# KiCad board jetson-orin-baseboard.kicad_pcb (continued)
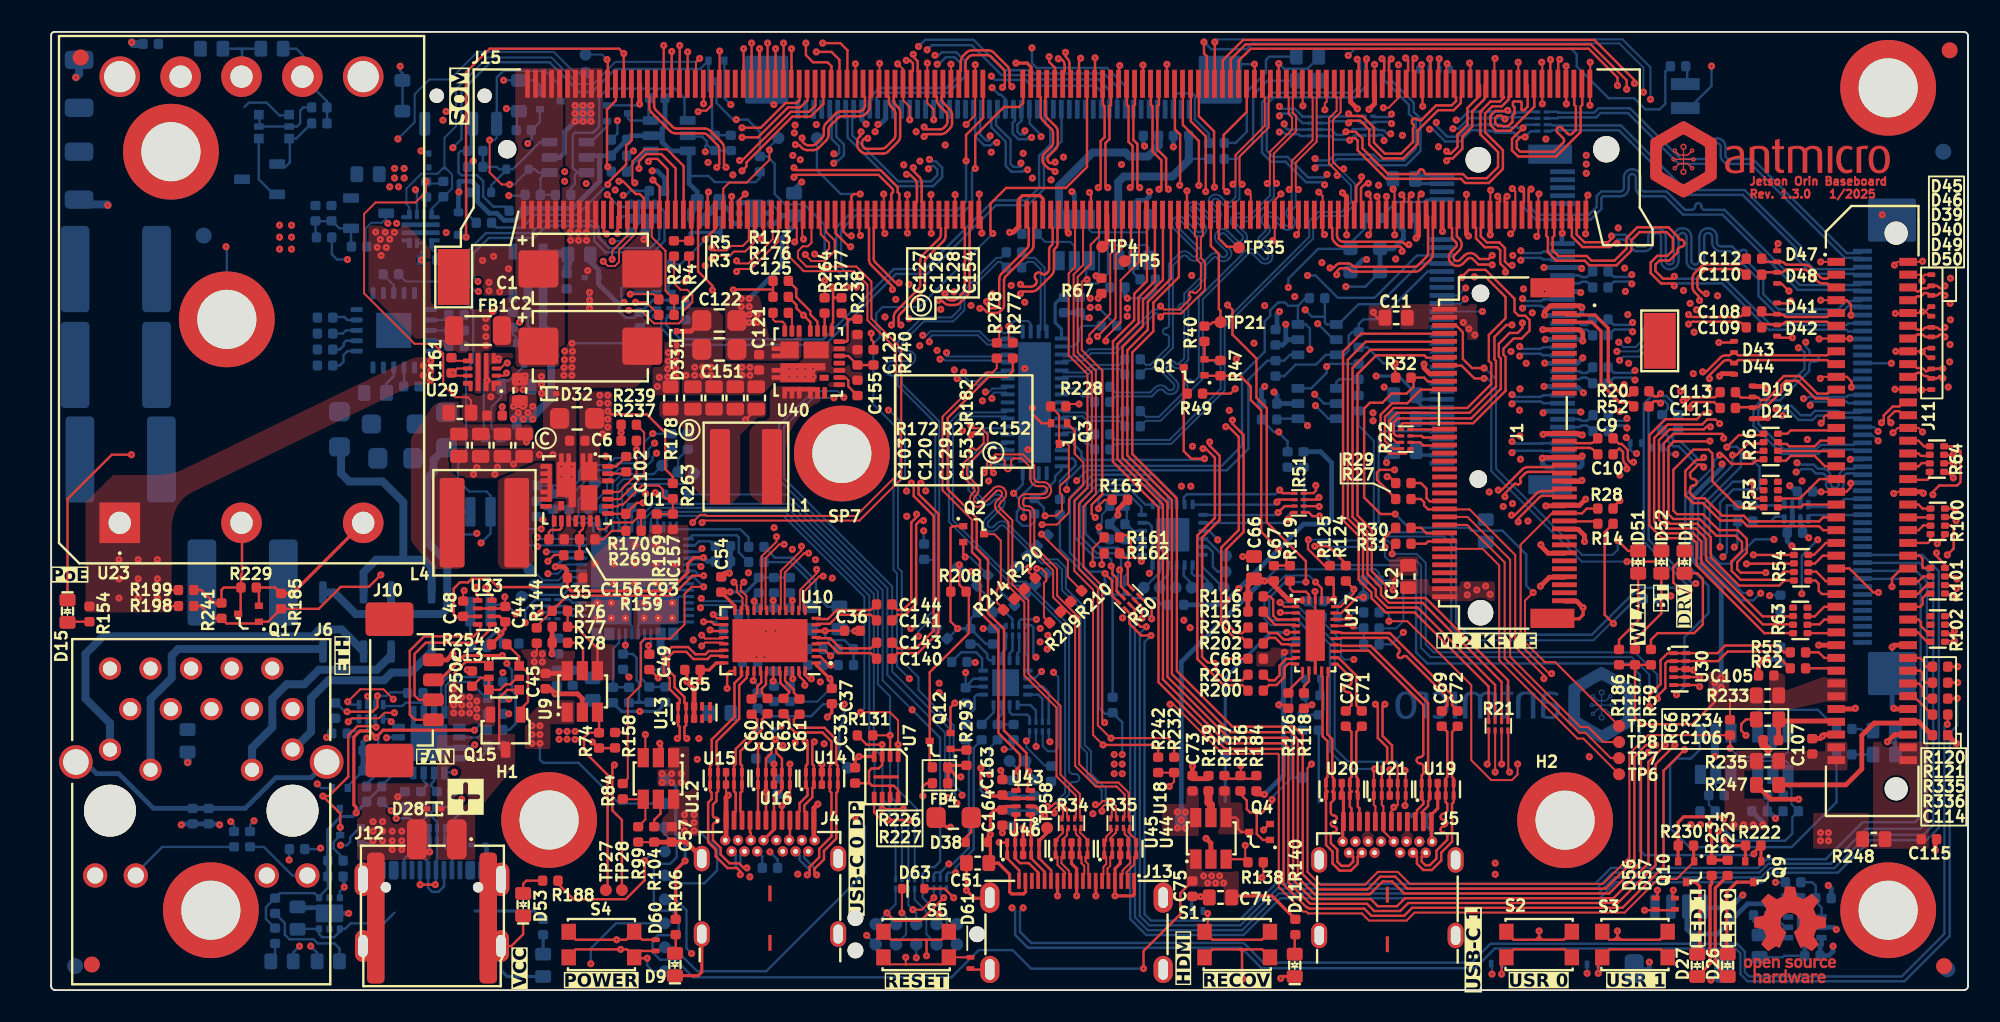
[diagram p0: board, top side]
## Routing (per net, layer and track width the routed paths; a pad name or vN(x,y) marks a point on that pad's centre or on a via; arc(x,y) is an arc through that point) (continued)
/USB3/USBSS1_C_RX_N: length 3.1
  Top w0.155: 77.91,20.41 77.87,20.44 77.45,20.44 77.2,20.19 77.2,19.59 76.71,19.1 76.24,19.1 75.89,18.75
/USB3/USBSS1_C_RX_P: length 3.1
  Top w0.155: 75.89,19.75 76.24,19.4 76.59,19.4 76.9,19.71 76.9,20.31 77.33,20.74 77.87,20.74 77.94,20.81
/USB3/USBSS1_C_TX_N: length 2.4
  Top w0.155: 77.94,21.61 77.56,21.61 77.51,21.66 77.03,21.66 76.63,22.06 76.24,22.06 75.89,21.7
/USB3/USBSS1_C_TX_P: length 2.4
  Top w0.155: 77.94,22 77.56,22 77.51,21.95 77.16,21.95 76.76,22.35 76.24,22.35 75.89,22.7
/USB3/~{USBC1_EN_CC}: length 2.2
  Top w0.15: 78.74,24.41 78.74,24.76 78.55,24.95 77.75,24.95 77.55,25.15 77.55,25.61
/USB3/~{USBC1_EN_MUX}: length 1.5
  Top w0.15: 78.74,20 78.74,19.34 78.42,19.03 78.42,18.61
/USB3/~{USBC1_INT}: length 2
  Top w0.15: v1(81.25,23.35) 81.12,23.22 80.35,23.22 80.34,23.2
  Bottom w0.125: v1(81.25,23.35) 81.55,23.65 82.17,23.65
/USB Debug, DP/DRAIN1: length 1.8
  Bottom w0.13: 36.8,22.9 36.75,22.85 36.75,22.3 ; 39.85,24.65 39.3,24.65 39.25,24.6 ; 39.9,23.05 39.3,23.05
/USB Debug, DP/DRAIN2: length 1.9
  Bottom w0.13: 36.35,22.3 36.35,22.8 36.25,22.9 ; 33.85,24.6 33.8,24.65 U6.19 ; U6.15 33.8,23.05
/USB Debug, DP/FTDI_3V3: length 44.5
  Top w0.15: v1(18.53,17.43) 20.13,17.43 20.43,17.73 v1(20.43,18.42)
  Top w0.2: v1(26.5,16.28) 20.78,16.28 v1(20.34,15.83) 20.34,15.84 19.95,16.23 19.33,16.23 18.95,15.85 18.95,11.6 19.1,11.45 v1(19.1,11.1)
  Bottom w0.13: 27.22,17.3 27.22,17 26.5,16.28 v1(26.5,16.28) 25.65,16.28 25.45,16.47
  Bottom w0.15: R267.2 20.7,12.75 R46.1 20.7,12.81 21.3,13.4 21.95,13.4 22.15,13.6 U5.8 ; C159.1 18.66,16.2 19.8,16.2 ; R111.2 22.28,18.64 21.24,18.64 21.02,18.42 v1(20.43,18.42) 20.28,18.28 U47.3 20.28,17.65 19.78,17.15 U47.7 19.78,16.22 19.8,16.2 ; 19.8,16.2 19.96,16.2 v1(20.34,15.83) 20.48,15.68 C27.1 20.66,15.17 U5.10 ; C34.2 17.32,6.39 16.77,5.84 16.77,5.78 16.48,6.07 14.33,6.07 R72.2 13.45,5.19 13.45,4.45 R73.2 ; v1(18.53,17.43) 18.4,17.43 17.85,17.98 C158.1
  Bottom w0.2: C34.2 17.32,10.05 18.14,10.87 18.87,10.87 v1(19.1,11.1) 19.1,11.15 R267.2
/USB Debug, DP/FTDI_CBUS0/SDA: length 7.8
  In5.Cu w0.15: v1(21.28,11.23) 21.27,11.23 21.27,12.97 21.55,13.25 21.55,16.54 v1(21.29,16.81)
  Bottom w0.15: U47.5 21.12,16.98 v1(21.29,16.81) 21.62,16.47 U5.12 ; v1(21.28,11.23) R267.1
/USB Debug, DP/FTDI_CBUS3/SCL: length 4.1
  Bottom w0.15: 23.28,18.1 23.28,17.95 ; 23.28,18.1 23.18,18 ; 23.28,18.1 23.28,18.5 ; 23.28,17.95 23.28,17.9 ; 23.28,17.95 23.23,18 23.1,18 ; 23.1,18 22.2,18 21.99,17.79 20.86,17.79 U47.4 ; 23.1,18 23.18,18 ; 23.18,18 23.28,17.9 ; 23.28,17.9 23.28,17.44 23.33,17.4
/USB Debug, DP/FTDI_CBUS_EN: length 13.5
  Top w0.15: v1(18.1,10.19) 18.1,11.06 v1(17.01,12.15) 17.39,12.15 18.6,13.36 18.6,15.95 19.18,16.53 20.29,16.53 v1(20.34,16.47)
  Bottom w0.15: v1(20.34,16.47) 20.28,16.53 U47.6 ; Q20.3 17.81,11.35 v1(17.01,12.15) ; R270.1 18.28,8.27 17.69,8.86 17.69,9.27 18.1,9.68 Q21.3 18.1,10.19 v1(18.1,10.19)
/USB Debug, DP/FTDI_LED_RX: length 20.8
  In3.Cu w0.155: 17.55,8.77 17.81,8.77 v1(18.12,9.07) ; 17.55,8.77 17.55,8.91 ; 17.55,8.77 17.55,3.55 17.25,3.25 16.05,3.25 v1(15.55,2.75) ; 17.55,9.29 17.55,8.91 ; 17.55,9.29 17.55,9.18 ; 17.55,9.29 17.55,11.15 21,14.6 v1(21,15.8) ; 17.55,8.91 17.55,8.98
  Bottom w0.15: 19.08,9.93 19.35,10.2 Q21.1
  Bottom w0.155: 19.08,9.93 18.72,9.57 18.72,9.28 18.51,9.07 v1(18.12,9.07) ; D3.1 15.15,2.35 v1(15.55,2.75)
  Bottom w0.2: v1(21,15.8) 21.02,15.83 21.85,15.83
/USB Debug, DP/FTDI_LED_TX: length 19.7
  In3.Cu w0.15: v1(16.25,2.75) 17.25,2.75 17.88,3.38 17.88,6.62 18.54,7.28 18.54,11.74 19.75,12.95 24.56,12.95 v1(25.25,13.64)
  Bottom w0.15: v1(25.25,13.64) 24.69,13.64
  Bottom w0.155: D2.1 16.65,2.35 v1(16.25,2.75)
/USB Debug, DP/HPDIN: length 1.5
  Top w0.15: v1(43.95,19.38) 44,19.42 44,19.98
  Bottom w0.15: 44.22,18.61 44.22,19.1 v1(43.95,19.38)
/USB Debug, DP/PDC_ADCIN1: length 4.6
  Bottom w0.15: 37.15,22.3 37.15,21.95 36.93,21.73 36.93,19.52 37.45,19 ; 38.45,18.98 37.45,18.98
/USB Debug, DP/PDC_ADCIN2: length 4.5
  Bottom w0.15: 36.17,18.96 35.17,18.96 35.17,21.38 35.55,21.75 35.55,22.3
/USB Debug, DP/PDC_CTL0: length 1.7
  Bottom w0.15: 31.57,24.05 32.25,24.05 32.45,23.85 U6.17
/USB Debug, DP/PDC_CTL1: length 1.7
  Bottom w0.15: U6.18 32.65,24.25 32.44,24.46 31.57,24.46
/USB Debug, DP/PDC_FLIP: length 1.7
  Bottom w0.15: 33.2,23.45 32.45,23.45 32.25,23.65 31.57,23.65
/USB Debug, DP/PDC_GPIO14: length 5.5
  Bottom w0.15: U6.42 39.15,28.85 43.15,28.85 43.67,28.33 43.67,27.75
/USB Debug, DP/PDC_GPIO15: length 5.1
  Bottom w0.15: 43.67,26.8 43.05,27.42 43.05,28.35 42.92,28.47 40.12,28.47 39.9,28.25
/USB Debug, DP/PDC_HPD2: length 1.3
  Bottom w0.155: 34.55,30.17 34.56,30.17 34.75,29.97 U6.31
/USB Debug, DP/PDC_I2C1_IRQn: length 2.2
  Bottom w0.125: U6.29 33.69,29.26 32.86,29.26 32.4,29.72 32.4,30.11
/USB Debug, DP/PDC_I2C1_SCL: length 27
  Top w0.125: v1(18.57,18.06) 19.35,18.84 20.8,18.84 21.42,18.22 v1(21.42,18.22)
  In5.Cu w0.125: v1(30.45,27.78) 29.92,27.78 27.96,25.82 26.08,25.82 21.4,21.14 21.4,18.23 v1(21.42,18.22)
  Bottom w0.125: R262.2 29.46,31.12 29.39,31.05 R70.2 29,30.61 28.82,30.43 28.82,28.97 29.94,27.85 30.38,27.85 v1(30.45,27.78) 30.52,27.85 U6.27
  Bottom w0.15: U47.1 18.75,17.88 v1(18.57,18.06)
/USB Debug, DP/PDC_I2C1_SDA: length 26.8
  Top w0.125: v1(21.49,17.37) 20.87,17.37 20.52,17.02 18.82,17.02 v1(18.6,16.8)
  In5.Cu w0.125: v1(30.45,28.35) 29.83,28.35 27.68,26.2 25.7,26.2 20.87,21.37 20.87,17.98 v1(21.49,17.37)
  Bottom w0.125: 31.52,28.25 31.51,28.25 31.41,28.35 ; 31.52,28.25 U6.28 ; 31.52,28.25 31.42,28.25 ; R71.2 30.89,30.11 R246.2 31.41,28.35 ; 31.42,28.25 31.41,28.26 31.41,28.35 ; 31.42,28.25 31.3,28.25 ; 31.41,28.35 31.31,28.25 31.3,28.25 ; 31.3,28.25 30.55,28.25 v1(30.45,28.35)
  Bottom w0.15: v1(18.6,16.8) 18.78,16.98 U47.8
/USB Debug, DP/PDC_I2C2_IRQn: length 7.4
  Bottom w0.125: 40.25,32.3 39.65,31.7 36,31.7 35.75,31.45 35.75,29.71 35.95,29.51 35.95,29
/USB Debug, DP/PDC_I2C2_SCL: length 7.6
  Bottom w0.125: 38.85,33.86 38.85,33.45 TP19.1 37.7,32.3 35.7,32.3 35.15,31.75 35.15,29
/USB Debug, DP/PDC_I2C2_SDA: length 8.5
  Bottom w0.125: 35.55,29 35.55,29.47 35.45,29.57 35.45,31.62 35.83,32 38.85,32 39.25,32.4 39.25,33.27 39.85,33.86
/USB Debug, DP/PDC_I2C3_SCL: length 4.1
  Bottom w0.15: TP24.1 29.58,24.75 32.05,24.75 32.75,25.45 33.2,25.45
/USB Debug, DP/PDC_I2C3_SDA: length 3.2
  Bottom w0.15: U6.22 32.4,25.85 31.94,25.39 30.21,25.39
/USB Debug, DP/PDC_LDO_1V8: length 1
  Bottom w0.15: U6.35 36.35,29.94 36.33,29.97
/USB Debug, DP/PDC_LDO_3V3: length 23.4
  In3.Cu w0.15: v1(35.95,21.6) 33.95,21.6 33.55,22 33.55,29.9 33.85,30.2 35.64,30.2 36.97,31.53 37.44,31.53 v1(37.82,31.15)
  Bottom w0.125: 35.8,21.05 35.95,21.2 v1(35.95,21.6)
  Bottom w0.15: v1(37.82,31.15) 38.29,31.15 D35.2 ; 35.95,21.55 35.95,22.3
  Bottom w0.155: 36.81,18.02 36.56,18.02 36.67,18.02 ; 36.81,18.02 37.06,18.02 36.94,18.02 36.8,18.15 ; 36.81,18.02 36.8,18.03 36.8,18.15 ; 36.8,18.15 36.67,18.02 ; 36.8,18.15 36.8,19.26 36.65,19.41 36.65,20.8 36.4,21.05 35.81,21.05 ; 36.67,18.02 36.2,18.02 36.17,17.99 ; 37.45,18.02 37.01,18.02
/USB Debug, DP/PDC_RESET: length 1.9
  Bottom w0.15: 41.56,27.8 41.27,28.1 40.55,28.1 40.3,27.85 39.9,27.85
/USB Debug, DP/USB_FTDI_N: length 1.5
  Bottom w0.155: 23.33,13.7 23.33,13.1 23.5,12.92 23.5,12.79 23.15,12.44
/USB Debug, DP/USB_FTDI_P: length 1.5
  Bottom w0.155: 23.98,13.7 23.98,13.1 23.8,12.92 23.8,12.79 24.15,12.44
/USB Debug, DP/USBC0_5V_PEN: length 18
  Top w0.125: v1(40.85,25.25) 40.1,25.25 39.65,24.8 39.65,22.9 38.75,22 37.15,22 36.9,21.75 36.9,19.05 36.1,18.25 36.1,16.2 ; 36.03,16.14 36.1,16.07 36.1,16 ; 36.03,16.14 36.1,16.2 ; 36.03,16.14 35.3,16.14 ; 36.1,16.2 36.1,16 ; 35.78,12.94 36.1,13.25 36.1,16
  Bottom w0.15: 39.9,25.85 40.25,25.85 v1(40.85,25.25)
/USB Debug, DP/USBC0_CC1: length 19.8
  Top w0.15: v1(44.32,15.3) 44.25,15.23 U16.10 44.25,10.64
  In3.Cu w0.125: v1(40.75,27.65) 41.25,27.65 41.4,27.5 41.4,26.85 41.75,26.5 41.75,24.4 42.25,23.9 42.25,20.05 43.44,18.86 43.44,16.19 v1(44.32,15.3)
  Bottom w0.15: 39.9,27.45 40.55,27.45 v1(40.75,27.65)
/USB Debug, DP/USBC0_CC2: length 26.9
  Top w0.15: v1(46.25,14.15) 46.25,12.3 46.15,12.2 v1(46.15,12.05)
  In3.Cu w0.15: v1(40.67,26.53) 41.17,26.53 41.45,26.25 41.45,24.3 41.95,23.8 41.95,19.9 43.15,18.7 43.15,15.7 44.25,14.6 45.8,14.6 v1(46.25,14.15)
  In5.Cu w0.15: v1(46.15,12.05) 48.05,10.15 48.1,10.15 48.55,9.7 48.55,8.75 47.65,7.85 46.25,7.85 45.8,8.3 J4.B5
  Bottom w0.15: v1(40.67,26.53) 40.55,26.65 39.9,26.65
/USB Debug, DP/USBC0_CONN_TX1_N: length 7
  Top w0.155: 44.85,17.3 44.5,16.95 44.5,16.31 43.15,14.96 43.15,14.15 43.25,14.05 43.25,13.64
  Top w0.165: 43.25,11.08 43.14,11.19 43.14,11.58 43.14,11.58 43.14,12.35 43.25,12.45 43.25,13.64
/USB Debug, DP/USBC0_CONN_TX1_P: length 7
  Top w0.155: 43.85,17.3 44.2,16.95 44.2,16.44 42.85,15.09 42.85,14.15 42.75,14.05 42.75,13.64
  Top w0.165: 42.75,11.08 42.85,11.19 42.85,11.58 42.86,12.35 42.75,12.45 42.75,13.64
/USB Debug, DP/USBC0_CONN_TX2_N: length 14.9
  Top w0.155: 48.75,12.86 48.75,12.45 48.85,12.35 48.85,9.61 48.08,8.84 48.08,8.31 47.48,7.71 47.48,7.36 v1(47.33,7.21) ; 45.85,17.3 46.2,16.95 46.2,16.51 46.59,16.13 48.29,16.13 48.85,15.56 48.85,14.15 48.75,14.05 48.75,13.64
  Top w0.165: 48.75,13.64 48.75,12.86
  Bottom w0.155: J4.B3 46.85,8.43 46.85,8.15 47.48,7.52 47.48,7.36 v1(47.33,7.21)
/USB Debug, DP/USBC0_CONN_TX2_P: length 14.9
  Top w0.155: v1(47.93,7.21) 47.78,7.36 47.78,7.59 48.38,8.19 48.38,8.72 49.15,9.49 49.15,12.35 49.25,12.45 49.25,12.86 ; 49.25,13.64 49.25,14.05 49.15,14.15 49.15,15.69 48.41,16.42 46.71,16.42 46.5,16.64 46.5,16.95 46.85,17.3
  Top w0.165: 49.25,13.64 49.25,12.86
  Bottom w0.155: v1(47.93,7.21) 47.78,7.36 47.78,7.64 47.15,8.27 47.15,8.43 J4.B2
/USB Debug, DP/USBC0_CTL0: length 15.6
  Top w0.15: 42.1,22.88 41.52,22.88 41.34,23.06 v1(40.84,23.06)
  In5.Cu w0.125: v1(30.16,23.32) 31.06,22.42 39.53,22.42 40.16,23.06 v1(40.84,23.06)
  Bottom w0.15: v1(40.84,23.06) 41.6,23.06 42.11,22.55 ; 31.1,24.05 31.1,24.05 30.45,24.05 30.16,23.76 v1(30.16,23.32)
/USB Debug, DP/USBC0_CTL1: length 15.5
  Top w0.15: v1(41.25,22.55) 41.32,22.48 42.1,22.48
  In5.Cu w0.125: v1(29.68,23) 30.54,22.15 39.65,22.15 40.14,22.64 41.16,22.64 v1(41.25,22.55)
  Bottom w0.15: v1(29.68,23) 29.68,23.82 30.33,24.46 31.09,24.46 R33.8
/USB Debug, DP/USBC0_DPEQ0: length 1.6
  Top w0.15: 45.2,23.78 v1(45.2,24.39)
  Bottom w0.155: 45.25,24.86 45.25,24.44 v1(45.2,24.39) 45.25,24.34 45.25,23.94
/USB Debug, DP/USBC0_DPEQ1: length 3.6
  Top w0.155: v1(48.8,20.35) 48.69,20.35 48.16,20.88 U10.2
  Bottom w0.15: 48.19,20.45 48.7,20.45 v1(48.8,20.35) 48.9,20.45 49.36,20.45 48.19,20.45
/USB Debug, DP/USBC0_EQ0: length 0.5
  Top w0.15: 46.4,19.98 46.4,19.53 v1(46.42,19.5)
/USB Debug, DP/USBC0_EQ1: length 1.3
  Top w0.15: 45.2,19.98 v1(45.2,19.35)
  Bottom w0.15: 45.25,19.97 45.2,19.92 v1(45.2,19.35)
/USB Debug, DP/USBC0_FLIP: length 13.4
  Top w0.15: v1(41.45,23.51) 41.68,23.28 42.1,23.28
  In5.Cu w0.125: v1(41.45,23.51) 40.01,23.51 39.25,22.75 31.53,22.75 v1(30.65,23.63)
  Bottom w0.15: v1(41.45,23.51) 42.06,23.51 42.1,23.55 ; R33.6 31.1,23.65 30.66,23.65 v1(30.65,23.63)
/USB Debug, DP/USBC0_I2C_EN: length 1.7
  Top w0.15: v1(44.01,24.35) 44,24.34 44,23.78
  Bottom w0.15: 44.3,24.86 44.01,24.58 v1(44.01,24.35)
  Bottom w0.155: v1(44.01,24.35) 44.25,24.11 44.25,23.94
/USB Debug, DP/USBC0_RX1_N: length 16.6
  Top w0.155: 43.6,19.98 43.55,19.93 43.55,19.56 43.07,19.09 43.07,16.99 41.65,15.56 41.65,14.15 41.75,14.05 U15.9 ; v1(43.56,7.65) 43.35,7.65 43.06,7.94 42.46,7.94 41.91,8.49 41.91,8.9 41.43,9.38 41.43,10.33 arc(41.47,10.44) 41.58,10.48 41.66,10.48 arc(41.76,10.52) 41.81,10.63 arc(41.76,10.74) 41.66,10.78 41.58,10.78 arc(41.47,10.82) 41.43,10.93 41.43,11.62 41.65,11.84 41.65,12.35 41.75,12.45 41.75,12.86
  Top w0.165: U15.9 41.75,12.86
  Bottom w0.16: J4.B10 43.15,8.43 43.15,7.85 43.35,7.65 v1(43.56,7.65)
/USB Debug, DP/USBC0_RX1_P: length 16.6
  Top w0.155: U15.10 41.25,14.05 41.35,14.15 41.35,15.69 42.78,17.11 42.78,19.21 43.25,19.69 43.25,19.93 U10.30 ; v1(43.14,7.23) 43.14,7.44 42.94,7.64 42.34,7.64 41.61,8.37 41.61,8.78 41.13,9.26 41.13,11.74 41.35,11.96 41.35,12.35 41.25,12.45 41.25,12.86
  Top w0.165: U15.10 41.25,12.86
  Bottom w0.16: J4.B11 42.85,8.43 42.85,7.73 43.14,7.44 v1(43.14,7.23)
/USB Debug, DP/USBC0_RX2_N: length 9.6
  Top w0.155: 46.8,19.98 46.85,19.93 46.85,19.64 47.18,19.31 v1(47.18,19.09) ; v1(47.2,15.55) 47.35,15.4 47.35,14.15 47.25,14.05 U14.10 ; 47.25,12.74 47.35,12.64 47.35,12.19 46.85,11.69 46.85,11.19 46.75,11.08
  Top w0.165: U14.10 47.25,12.86
  In3.Cu w0.16: v1(47.2,15.55) 47.33,15.68 47.33,17.71 47.52,17.91 47.52,18.77 47.2,19.09 v1(47.18,19.09)
/USB Debug, DP/USBC0_RX2_P: length 9.7
  Top w0.155: v1(47.78,15.55) 47.65,15.42 47.65,14.15 47.75,14.05 U14.9 ; 47.2,19.98 47.15,19.93 47.15,19.76 47.42,19.49 v1(47.59,19.49) ; 47.25,11.08 47.15,11.19 47.15,11.57 47.65,12.07 47.65,12.64 47.75,12.74
  Top w0.165: U14.9 47.75,12.86
  In3.Cu w0.16: v1(47.78,15.55) 47.62,15.7 47.62,17.59 47.82,17.78 47.82,19 47.59,19.23 v1(47.59,19.49)
/USB Debug, DP/USBC0_SBU_N: length 28.9
  Top w0.15: J4.A8 v1(45.75,11.55)
  Top w0.155: v1(39.8,15.75) 39.65,15.9 39.65,16.48 39.75,16.59 U13.9 ; 39.75,17.89 39.65,17.99 39.65,18.34 39.02,18.96 39.02,19.64 38.65,20.01 38.65,20.86 38.97,21.18 39.76,21.18 40.21,20.73 41.09,20.73 41.29,20.93 42.05,20.93 42.1,20.88
  In3.Cu w0.16: v1(45.75,11.55) 46.45,11.55 47.15,10.85 48.34,10.85 49.1,11.61 49.1,12.29 48.19,13.2 43.81,13.2 41.9,15.11 41.9,16.26 41.24,16.93 39.91,16.93 39.65,16.66 39.65,15.9 v1(39.8,15.75)
  Bottom w0.155: v1(45.75,11.55) 45.48,11.82 45.48,12.27
/USB Debug, DP/USBC0_SBU_P: length 34.3
  Top w0.155: 39.25,17.89 39.35,17.99 39.35,18.21 38.73,18.84 38.73,19.51 38.35,19.89 38.35,20.98 38.85,21.48 39.88,21.48 40.33,21.03 40.97,21.03 41.17,21.23 42.05,21.23 42.1,21.28 ; U13.10 39.25,16.59 39.35,16.48 39.35,15.9 v1(39.2,15.75)
  In3.Cu w0.16: J4.B8 45.13,7.75 47.65,7.75 48.55,8.65 48.55,10.64 49.4,11.49 49.4,12.41 48.31,13.5 43.94,13.5 42.2,15.24 42.2,16.39 41.36,17.22 39.79,17.22 39.35,16.79 39.35,15.9 v1(39.2,15.75)
  Bottom w0.155: J4.B8 44.52,8.37 44.52,7.65
/USB Debug, DP/USBC0_SSEQ0: length 1.7
  Top w0.15: 46.4,23.78 v1(46.4,24.4)
  Bottom w0.155: 46.25,24.86 46.25,24.55 v1(46.4,24.4) 46.25,24.25 46.25,23.94
/USB Debug, DP/USBC0_SSEQ1: length 2.5
  Top w0.15: v1(48.8,20.92) 48.44,21.28 U10.3
  Bottom w0.15: 48.27,21.45 v1(48.8,20.92) 49.33,21.45
/USB Debug, DP/USBC0_TX1_N: length 2
  Top w0.155: 44.85,18.27 44.5,18.62 44.5,18.89 44.75,19.14 44.75,19.93 U10.34
/USB Debug, DP/USBC0_TX1_P: length 2
  Top w0.155: 43.85,18.27 44.2,18.62 44.2,19.01 44.45,19.26 44.45,19.93 44.4,19.98
/USB Debug, DP/USBC0_TX2_N: length 2.1
  Top w0.155: U10.36 45.65,19.93 45.65,19.24 46.2,18.69 46.2,18.62 45.85,18.27
/USB Debug, DP/USBC0_TX2_P: length 2.1
  Top w0.155: 46.85,18.27 46.5,18.62 46.5,18.81 45.95,19.36 45.95,19.93 U10.37
/USB Debug, DP/USBC0_VBUS: length 12.5
  Top w0.15: 43.75,10.02 43.75,9.9 43.8,9.85 J4.B9 ; J4.B4 46.2,9.65 46.25,9.7 J4.A9
  Top w0.2: v1(39.69,8.08) 39.1,7.5 39.1,4.44
  Bottom w0.2: v1(39.69,8.08) 39.69,9.14 39.11,9.72 39.11,12.74 v1(38.85,13)
  Bottom w0.5: 38.45,21.03 38.15,21.33 38.15,22.3
  vias: v1(38.25,13.55) v1(38.25,13) v1(38.85,13.55) v1(39.45,13.55) v1(39.45,13)
/USB Debug, DP/USBC3_5V_PEN: length 12.9
  Top w0.125: 31.37,23.75 30.4,22.78 30.4,22.69
  Top w0.15: 31.37,23.75 32.31,24.7 38.9,24.7 40.15,25.95 v1(40.85,25.95)
  Bottom w0.15: 39.9,26.25 40.3,26.25 40.6,25.95 v1(40.85,25.95)
/USB Debug, DP/USBC3_CC1: length 25
  In5.Cu w0.125: v1(25.7,11.95) 25.65,12 25.65,12.15 27.55,14.05 27.55,24.51 28.1,25.06 30.41,25.06 30.95,25.6 30.95,25.92 v1(31.1,26.07)
  Bottom w0.125: 33.2,26.65 32.3,26.65 31.72,26.07 v1(31.1,26.07)
  Bottom w0.15: v1(25.7,11.95) 25.7,11.19 U11.10 24.65,8.95 25.1,8.5 25.1,7.64
/USB Debug, DP/USBC3_CC2: length 28.3
  In5.Cu w0.125: v1(21.6,10.75) 23,12.15 23,20.36 28.03,25.39 30.23,25.39 30.65,25.81 30.65,27.09 v1(31,27.44)
  Bottom w0.15: 22.1,7.64 22.1,8.2 22.65,8.75 22.65,10.55 22.45,10.75 v1(21.6,10.75) ; v1(31,27.44) 31.01,27.45 U6.26
/USB Debug, DP/USBC3_D_N: length 8.9
  Bottom w0.155: 22.15,11.47 23.15,11.47 23.5,11.11 23.5,10.9 23.15,10.55 23.15,8.45 23.6,8 23.6,6.4 23.85,6.15 24.25,6.15 24.6,6.5 24.6,7.64
/USB Debug, DP/USBC3_D_P: length 8.2
  Top w0.155: v1(24.05,6.6) v1(23.1,6.6)
  Bottom w0.155: v1(23.1,6.6) 23.1,7.64 ; v1(24.05,6.6) 24.1,6.65 24.1,8.1 24.15,8.15 U11.9 24.15,10.55 23.8,10.9 23.8,11.11 24.15,11.47
  Bottom w0.2: 25.15,11.47 24.15,11.47
/USB Debug, DP/USBC3_FLG: length 12.4
  Top w0.15: 34.3,16.11 33.67,16.11 33.36,15.8 33.36,14.95 34.83,13.48 34.83,6.38 TP27.1 ; 34.3,16.12 34.3,17.3
/USB Debug, DP/USBC3_VBUS: length 21.8
  Bottom w0.15: TP1.1 35.57,11.68 33.02,14.23 30.8,14.23 30.6,14.42 v1(30.6,15.45)
  Bottom w0.155: 18.24,3.83 17.72,3.31 16.98,3.31 16.77,3.5 16.77,3.83 15.45,3.83 15.42,3.81 ; 21.5,4.85 20.83,4.17 18.75,4.17 18.41,3.83 U8.4
  Bottom w0.2: 26.55,4.95 30.25,4.95 30.8,4.4
  vias: v1(30.1,16.55) v1(30.1,16) v1(30.1,15.45) v1(30.6,16.55) v1(30.6,16)
/USB Debug, DP/USBSS0_RX_C_N: length 4.2
  Top w0.155: 47.9,21.68 47.95,21.73 48.66,21.73 49.29,21.1 51.31,21.1 51.67,20.75
/USB Debug, DP/USBSS0_RX_C_P: length 4.2
  Top w0.155: U10.5 47.95,22.03 48.78,22.03 49.41,21.4 51.31,21.4 51.67,21.75
/USB Debug, DP/USBSS0_TX_C_N: length 4.2
  Top w0.155: 47.9,22.88 47.95,22.93 48.74,22.93 49.31,23.5 51.31,23.5 51.67,23.15
/USB Debug, DP/USBSS0_TX_C_P: length 4.2
  Top w0.155: 47.9,23.28 47.95,23.23 48.62,23.23 49.19,23.8 51.31,23.8 51.67,24.15
/USB Debug, DP/~{PDC_I2C3_IRQ}: length 3.8
  Bottom w0.125: TP26.1 30.11,26.34 30.79,25.66 31.76,25.66 32.35,26.25 33.2,26.25
CAN_RX: length 152.6
  Top w0.15: v1(119.32,18.28) 119.3,18.25 118.74,18.25 ; v1(57.85,51.45) 57.85,53.5 59.65,55.3 60.59,55.3 60.85,55.55 60.85,55.85 60.85,55.85
  In5.Cu w0.125: v1(49.62,37.12) 49.62,37.31 50.27,37.96 50.27,43.87 v1(50.43,44.03) 50.45,44.01 ; 57.2,9.05 57.2,9.95
  In5.Cu w0.155: v1(56.15,12.05) 56.15,11.55 57.2,10.5 57.2,9.8 ; v1(60.15,5.15) 60.35,5.35 60.35,6.4 59.4,7.35 57.75,7.35 57.2,7.9 57.2,8.75 ; 57.2,9.8 57.2,9.95 ; 57.2,9.8 57.2,8.75 ; 57.2,8.75 57.2,9.05
  Bottom w0.125: v1(49.62,37.12) 49.23,37.52 47.71,37.52 45.56,35.36 45.56,31.96 52.35,25.17 52.35,19.72 55.95,16.12 55.95,12.25 v1(56.15,12.05)
  Bottom w0.15: v1(57.85,51.45) 57.65,51.25 57.65,49.25 56.9,48.5 50.35,48.5 49.45,47.6 49.45,45.27 50.43,44.29 v1(50.43,44.03) ; v1(119.32,18.28) 119.32,16.58 118.85,16.1 118.85,3.39 116.01,0.55 106.2,0.55 105.75,1 105.75,2.3 105.45,2.6 90.37,2.6 89.14,1.37 78.67,1.37
  Bottom w0.155: 78.67,1.37 75.78,1.37 74.5,2.65 61.15,2.65 60.35,3.45 60.35,4.95 v1(60.15,5.15)
CAN_TX: length 146.4
  Top w0.15: 58.35,56.74 58.35,54.62 57.28,53.55 v1(57.28,51.92) ; 118.74,17.25 118.74,16.69 v1(118.7,16.65)
  In5.Cu w0.125: v1(49.01,37.09) 50,38.08 50,43.85 v1(49.83,44.02)
  In5.Cu w0.155: v1(56.7,11.7) 57.55,10.85 57.55,8.05 57.95,7.65 59.55,7.65 60.65,6.55 60.65,5.35 v1(60.85,5.15)
  Bottom w0.125: v1(49.01,37.09) 47.71,37.09 45.86,35.25 45.86,32.06 52.65,25.28 52.65,19.95 56.25,16.35 56.25,12.65 56.6,12.3 56.6,11.88 56.7,11.78 v1(56.7,11.7)
  Bottom w0.15: 78.73,1.72 88.92,1.72 90.1,2.9 105.54,2.9 106.03,2.41 106.03,1.12 106.3,0.85 115.84,0.85 118.52,3.53 118.52,16.47 v1(118.7,16.65) ; v1(57.28,51.92) 57.28,49.38 56.75,48.85 50.25,48.85 49.15,47.75 49.15,45.13 49.83,44.45 v1(49.83,44.02)
  Bottom w0.155: 78.73,1.72 75.88,1.72 74.65,2.95 61.35,2.95 60.65,3.65 60.65,4.95 v1(60.85,5.15)
CSI0_CLK_N: length 30
  Top w0.155: 94.1,48.54 94.1,47.23 94,47.13 94,46.32 94.35,45.97 96.13,45.97 96.42,45.68 97.87,45.68 98.62,46.43 98.62,47.09 99.3,47.77 101.25,47.77 101.82,47.2 arc(101.88,47.05) 102.03,46.99 arc(102.18,46.92) 102.24,46.78 102.24,46.75 arc(102.18,46.6) 102.03,46.54 arc(101.88,46.47) 101.82,46.33 101.82,46.2 101.3,45.68 100.67,45.68 100.43,45.44 100.43,45.02 100.9,44.55 101.46,44.55 v1(101.61,44.7)
  Bottom w0.155: 113.4,41.75 112.5,41.75 112.4,41.65 107.64,41.65 104.74,44.55 101.76,44.55 v1(101.61,44.7)
CSI0_CLK_P: length 30
  Top w0.155: v1(101.61,44.1) 101.46,44.25 100.78,44.25 100.13,44.9 100.13,45.56 100.55,45.98 101.18,45.98 101.52,46.33 101.52,47.07 101.13,47.47 99.44,47.47 98.92,46.95 98.92,46.31 97.99,45.38 96.3,45.38 96.01,45.67 94.23,45.67 93.7,46.2 93.7,47.13 93.6,47.23 93.6,48.54
  Bottom w0.155: v1(101.61,44.1) 101.76,44.25 104.62,44.25 107.52,41.35 112.4,41.35 112.5,41.25 113.4,41.25
CSI0_D0_N: length 32.3
  Top w0.155: v1(97.68,47.22) 97.68,47.04 97.47,46.83 95.98,46.83 95.5,47.31 95.5,48.44 95.6,48.54
  Bottom w0.155: v1(97.68,47.22) 97.86,47.22 97.94,47.3 98.56,47.3 99.29,46.57 99.73,46.57 arc(99.91,46.64) 99.98,46.82 99.98,47.16 arc(100.14,47.55) 100.53,47.71 arc(100.92,47.55) 101.08,47.16 101.08,45.68 arc(101.15,45.5) 101.33,45.43 arc(101.51,45.5) 101.58,45.68 101.58,47.16 arc(101.74,47.55) 102.13,47.71 arc(102.52,47.55) 102.68,47.16 102.68,45.68 arc(102.75,45.5) 102.93,45.43 arc(103.11,45.5) 103.18,45.68 103.18,47.16 arc(103.34,47.55) 103.73,47.71 arc(104.12,47.55) 104.28,47.16 104.28,46.82 arc(104.35,46.64) 104.53,46.57 105.23,46.57 105.51,46.29 arc(105.65,46.23) 105.79,46.29 105.81,46.31 arc(105.95,46.37) 106.09,46.31 arc(106.15,46.17) 106.09,46.03 106.08,46.01 arc(106.02,45.87) 106.08,45.73 107.18,44.62 107.18,43.58 108.14,42.62 111.86,42.62 112.39,43.15 113.3,43.15 113.4,43.25
CSI0_D0_P: length 32.3
  Top w0.155: 95.1,48.54 95.2,48.44 95.2,47.19 95.86,46.53 97.59,46.53 97.82,46.75 v1(98.03,46.75)
  Bottom w0.155: 113.4,42.75 113.3,42.85 112.51,42.85 111.99,42.33 108.01,42.33 106.88,43.46 106.88,44.5 105.11,46.27 104.53,46.27 arc(104.14,46.43) 103.98,46.82 103.98,47.16 arc(103.91,47.34) 103.73,47.41 arc(103.55,47.34) 103.48,47.16 103.48,45.68 arc(103.32,45.29) 102.93,45.13 arc(102.54,45.29) 102.38,45.68 102.38,47.16 arc(102.31,47.34) 102.13,47.41 arc(101.95,47.34) 101.88,47.16 101.88,45.68 arc(101.72,45.29) 101.33,45.13 arc(100.94,45.29) 100.78,45.68 100.78,47.16 arc(100.71,47.34) 100.53,47.41 arc(100.35,47.34) 100.28,47.16 100.28,46.82 arc(100.12,46.43) 99.73,46.27 99.17,46.27 98.44,47 98.06,47 98.03,46.96 v1(98.03,46.75)
CSI0_D1_N: length 30.1
  Top w0.155: 92.6,48.54 92.6,49.27 92.5,49.37 92.5,50.01 v1(92.64,50.16)
  Bottom w0.155: 113.4,44.25 113.3,44.15 109.46,44.15 104.75,48.86 103.51,48.86 arc(103.37,48.92) 103.31,49.06 103.31,49.08 arc(103.25,49.22) 103.11,49.28 arc(102.97,49.22) 102.91,49.08 102.91,49.06 arc(102.85,48.92) 102.71,48.86 102.28,48.86 101.13,50.01 99.73,50.01 arc(99.57,50.08) 99.5,50.23 99.5,50.88 arc(99.35,51.25) 98.98,51.4 arc(98.61,51.25) 98.46,50.88 98.46,50.23 arc(98.39,50.08) 98.23,50.01 97.04,50.01 96.75,49.72 96.75,49.04 96.26,48.55 93.06,48.55 92.5,49.11 92.5,50.01 v1(92.64,50.16)
CSI0_D1_P: length 30.1
  Top w0.155: 92.1,48.54 92.1,49.27 92.2,49.37 92.2,50.01 v1(92.05,50.16)
  Bottom w0.155: 113.4,43.75 113.3,43.85 109.34,43.85 104.63,48.56 102.16,48.56 101.01,49.71 99.73,49.71 arc(99.36,49.86) 99.21,50.23 99.21,50.88 arc(99.14,51.04) 98.98,51.1 arc(98.82,51.04) 98.75,50.88 98.75,50.23 arc(98.6,49.86) 98.23,49.71 97.16,49.71 97.05,49.6 97.05,48.92 96.38,48.25 92.94,48.25 92.2,48.99 92.2,50.01 v1(92.05,50.16)
CSI1_CLK_N: length 58.1
  Top w0.155: v1(94.44,58.28) 94.35,58.19 94.35,56.74
  In5.Cu w0.16: v1(55.47,57.98) 55.47,58.07 55.95,58.55 60.61,58.55 61.61,57.55 65.91,57.55 66.95,58.59 80.04,58.59 80.43,58.2 80.43,57.59 80.85,57.17 85.6,57.17 86.14,56.63 88.12,56.63 arc(88.28,56.56) 88.35,56.4 88.35,56.04 arc(88.5,55.67) 88.87,55.52 arc(89.24,55.67) 89.4,56.04 89.4,57.51 arc(89.46,57.67) 89.62,57.73 arc(89.78,57.67) 89.85,57.51 89.85,56.04 arc(90,55.67) 90.37,55.52 arc(90.74,55.67) 90.9,56.04 90.9,56.4 arc(90.96,56.56) 91.12,56.63 93.26,56.63 94.29,57.66 94.29,58.13 v1(94.44,58.28)
  Bottom w0.155: 51.25,55.65 51.36,55.75 51.36,55.99 51.86,56.49 56.06,56.49 56.91,57.34 56.91,58.06 56.55,58.42 56.01,58.42 55.57,57.98 v1(55.47,57.98)
CSI1_CLK_P: length 58.1
  Top w0.155: 93.85,56.74 93.85,58.06 93.95,58.16 93.95,58.18 v1(93.86,58.27)
  In5.Cu w0.16: v1(93.86,58.27) 93.95,58.18 93.95,57.74 93.13,56.92 91.12,56.92 arc(90.75,56.77) 90.6,56.4 90.6,56.04 arc(90.53,55.88) 90.37,55.82 arc(90.21,55.88) 90.15,56.04 90.15,57.51 arc(89.99,57.88) 89.62,58.03 arc(89.25,57.88) 89.1,57.51 89.1,56.04 arc(89.03,55.88) 88.87,55.82 arc(88.71,55.88) 88.65,56.04 88.65,56.4 arc(88.49,56.77) 88.12,56.92 86.27,56.92 85.72,57.47 80.97,57.47 80.73,57.71 80.73,58.32 80.16,58.89 66.83,58.89 65.79,57.85 61.74,57.85 60.74,58.85 55.74,58.85 55.43,58.54 v1(55.33,58.54)
  Bottom w0.155: v1(55.33,58.54) 55.57,58.54 55.75,58.72 56.67,58.72 57.21,58.18 57.21,57.22 56.18,56.19 51.98,56.19 51.65,55.86 51.65,55.75 51.75,55.65
CSI1_D0_N: length 12.7
  Top w0.155: v1(92.14,53.99) 91.45,53.3 91.45,52.59 91.84,52.2 94.21,52.2 95.75,53.74 95.75,55.33 95.85,55.43 95.85,56.74